# Altium PCB Zynq-Video-Board.PcbDoc (part 3 of 7)
Units mm, origin at the board's own origin, x right, y up, seen from the top; angles counter-clockwise.
Board outline 140 x 100.79 mm, 4 copper layers (Top Layer, Power Layer, GND Layer, Bottom Layer), stack 1.536 mm thick; 231 components, 238 nets, 1116 pads, 595 vias.
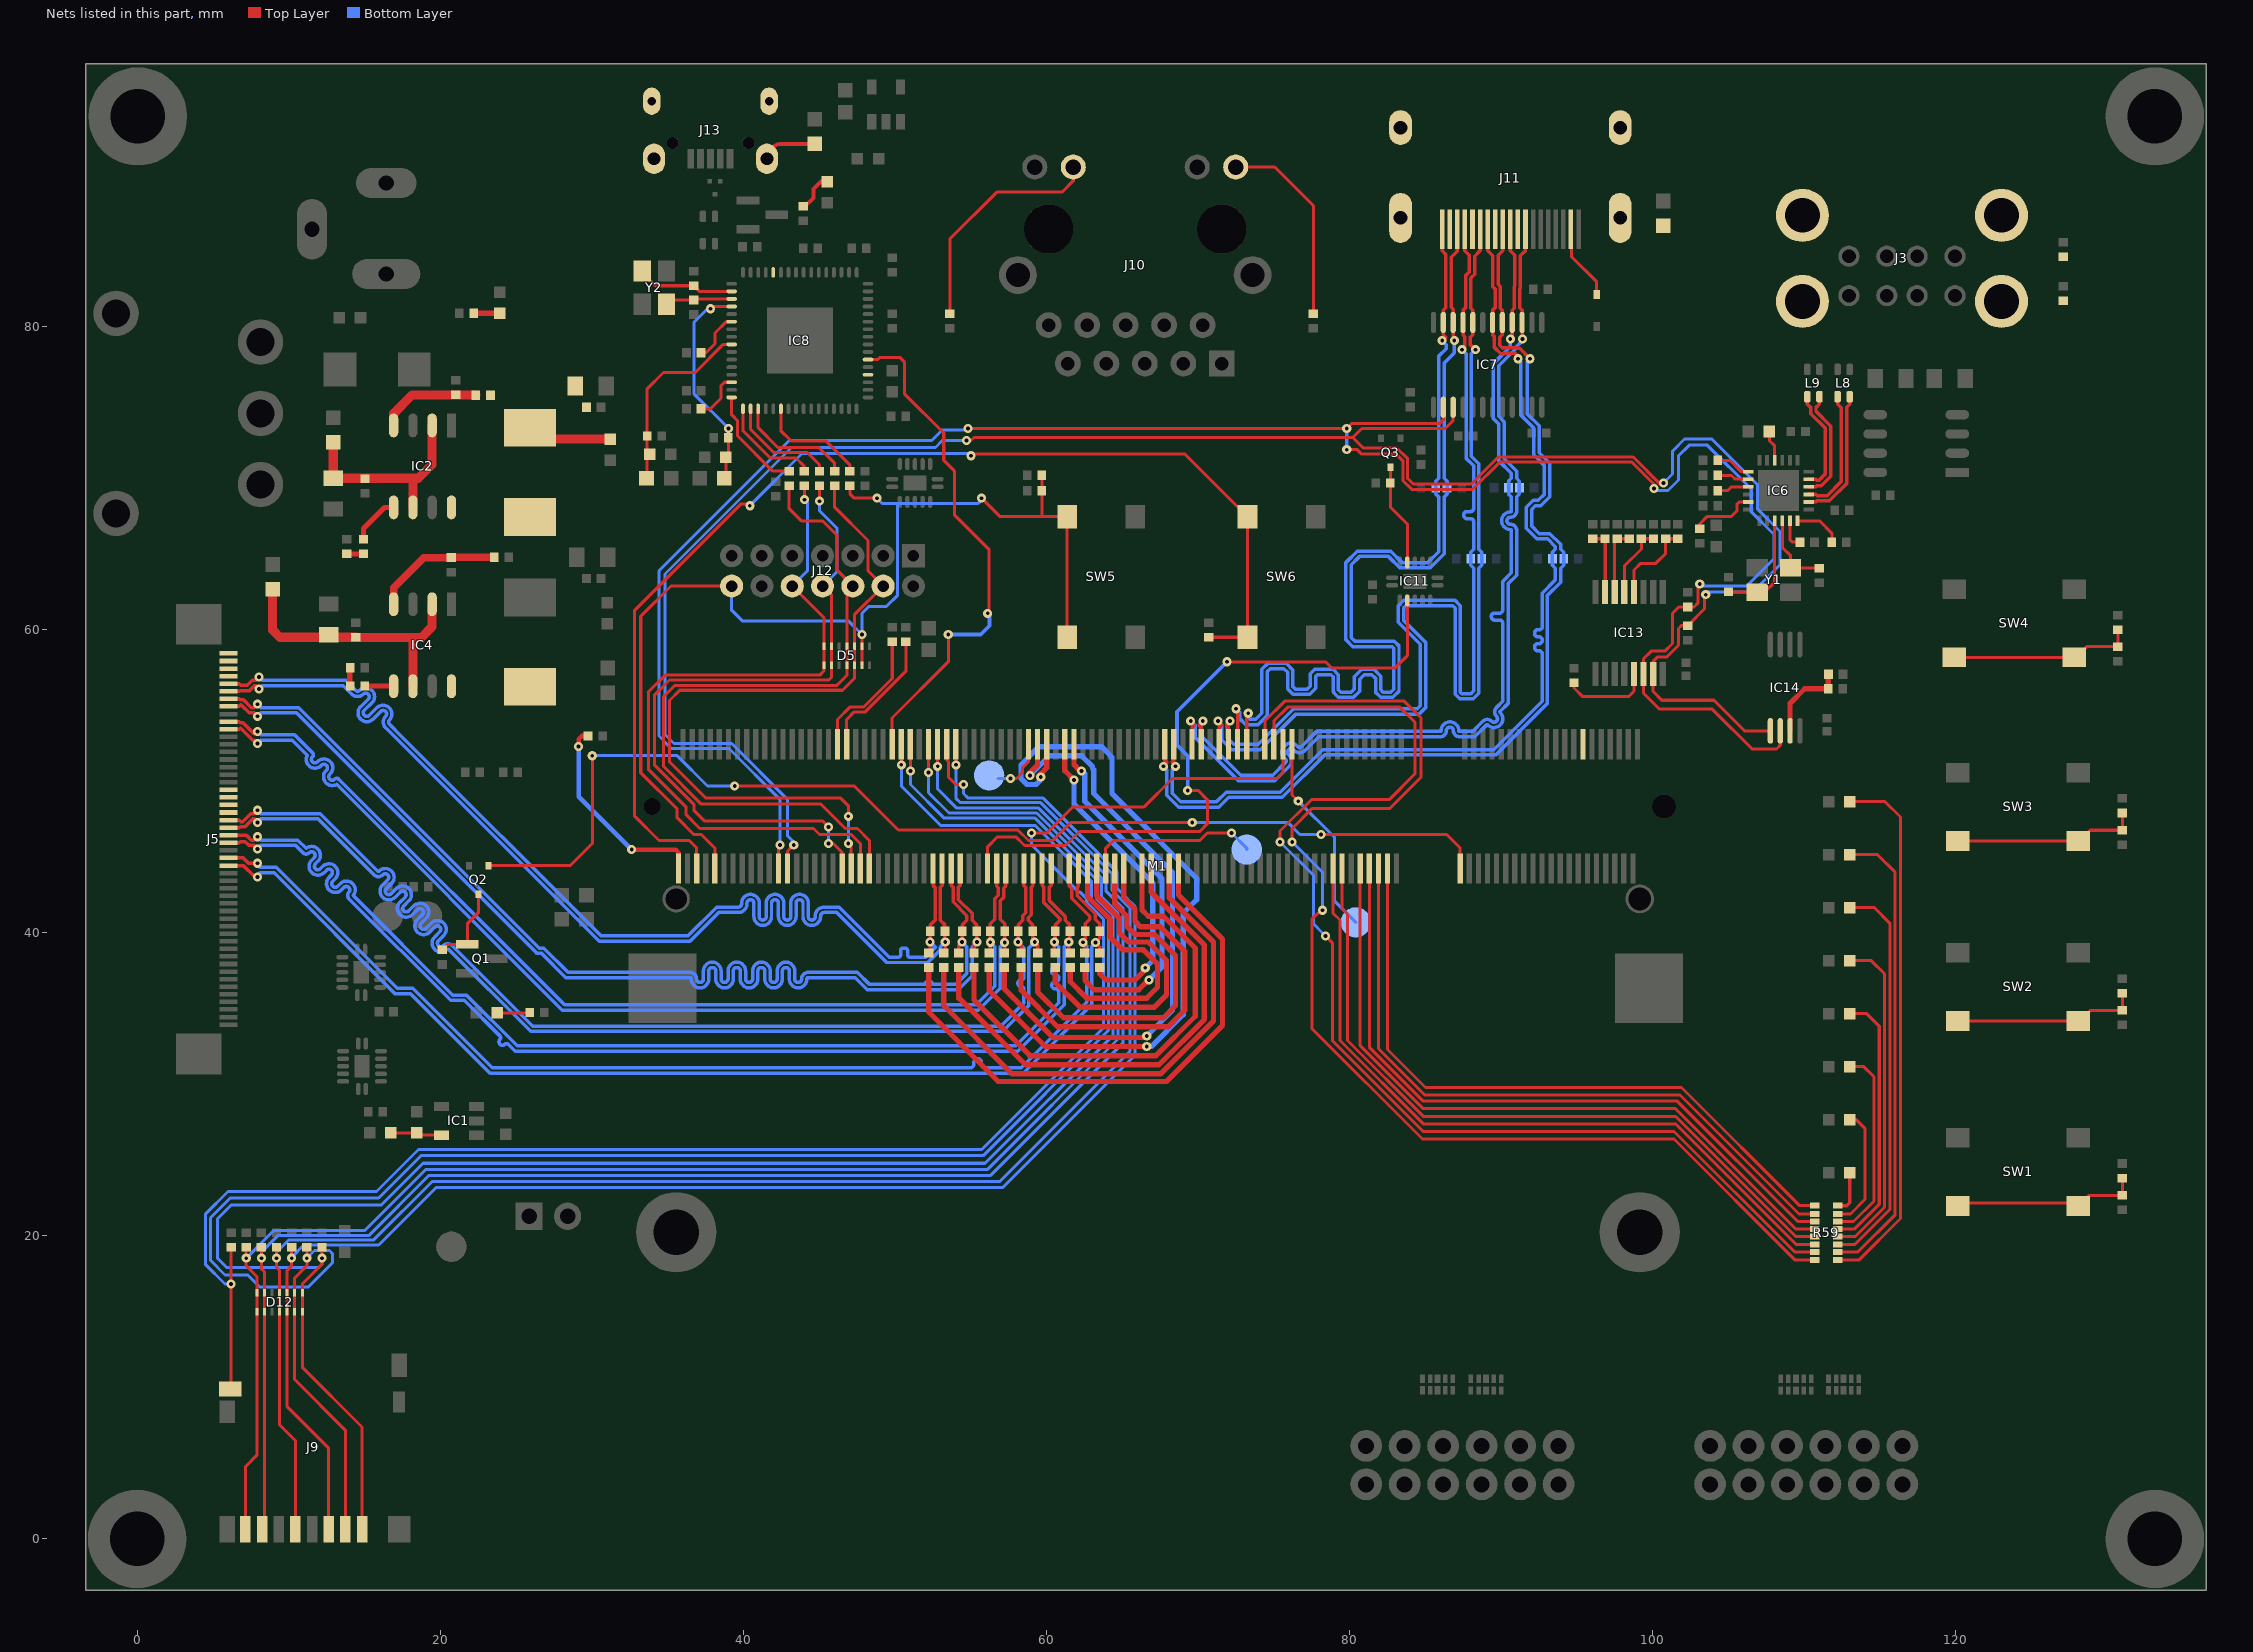
[diagram p5: the nets of this part, all layers, seen from the top]

## Via types
v1: diameter 0.6, hole 0.25, Top Layer to Bottom Layer, tented both sides, 578 vias
v2: diameter 0.6, hole 0.25, Top Layer to Bottom Layer, 16 vias
v3: diameter 0.8, hole 0.35, Top Layer to Bottom Layer, tented both sides, 1 vias

## Nets (pads, with @x,y where several pads share a name; then routed paths per layer and width w, separated by ;. In a path a pad name is that pad's centre, name@x,y a point inside that pad or via, vN(x,y) a via of type N, cw(c..) or ccw(c..) an arc to the next point about the centre after c; other vN are vias at no path point) (continued)
HP_CSI1_CLK_N: J5.23 M1.114 R25.1 R26.2 | length 75.4
  Top Layer w0.23: J5.23@6.04,44.95 7.007,44.95 7.357,44.6 v1(7.95,44.6) ; M1.114@61.541,44.249 61.541,43.1 61.71,42.93 61.71,42.299 62.894,41.115 62.894,40.905 62.589,40.6 R26.2@62.589,40.1 62.589,39.524 v1(62.448,39.383) 62.57,39.261 R25.1@62.57,38.68
  Bottom Layer w0.23: v1(7.95,44.6) ccw(c8.225,44.6) 8.225,44.325 9.195,44.325 17.17,36.35 18.195,36.35 23.445,31.1 48.55,31.1 54.998,31.1 ccw(c54.998,31.342) 55.24,31.342 55.24,31.458 cw(c55.482,31.458) 55.482,31.7 cw(c55.482,31.458) 55.724,31.458 55.724,31.342 ccw(c55.966,31.342) 55.966,31.1 56.208,31.1 56.45,31.1 58.355,31.1 62.684,35.429 62.684,39.147 v1(62.448,39.383)
HP_CSI1_CLK_P: J5.22 M1.112 R26.1 R28.1 | length 75.4
  Top Layer w0.23: J5.22@6.04,44.45 7.012,44.45 7.762,43.7 v1(7.95,43.7) ; M1.112@62.141,44.249 62.141,43.1 62.06,43.019 62.06,42.444 63.244,41.26 63.244,40.905 63.549,40.6 R26.1@63.549,40.1 63.549,39.645 v1(63.269,39.365) 63.543,39.091 R28.1@63.543,38.68
  Bottom Layer w0.23: v1(7.95,43.7) cw(c8.225,43.7) 8.225,43.975 9.05,43.975 17.025,36 18.05,36 23.3,30.75 58.5,30.75 63.034,35.284 63.034,39.129 v1(63.269,39.365)
HP_CSI1_D0_N: J5.26 M1.120 R45.1 R47.2 | length 76.7
  Top Layer w0.23: J5.26@6.04,46.45 7.225,46.45 ; 7.275,46.4 7.55,46.125 7.725,46.125 v1(7.95,46.35) ; M1.120@59.741,44.249 59.741,43.134 59.866,43.009 59.866,42 60.925,40.941 60.925,40.83 60.62,40.525 R47.2@60.62,40.1 60.62,39.47 v1(60.55,39.4) 60.55,38.73 R45.1@60.6,38.68
  Bottom Layer w0.23: v1(7.95,46.35) 8.175,46.125 10.62,46.125 11.162,45.583 cw(c11.528,45.132) 12.108,45.132 cw(c11.528,45.132) 11.938,44.722 11.775,44.56 ccw(c11.938,44.397) 11.775,44.234 ; 11.776,44.234 ccw(c11.938,44.397) 12.101,44.234 12.263,44.397 cw(c12.673,43.987) 13.253,43.987 cw(c12.673,43.987) 13.083,43.577 12.921,43.414 ccw(c13.083,43.251) 12.92,43.089 ccw(c13.083,43.251) 13.246,43.089 13.409,43.251 cw(c13.819,42.841) 14.399,42.841 cw(c13.819,42.841) 14.269,42.476 20.845,35.9 21.545,35.9 21.75,35.9 25.1,32.55 58,32.55 60.85,35.4 60.85,36.085 ccw(c60.62,36.085) 60.62,36.315 60.6,36.315 cw(c60.6,36.545) 60.37,36.545 cw(c60.6,36.545) 60.6,36.775 60.62,36.775 ccw(c60.62,37.005) 60.85,37.005 ccw(c60.62,37.005) 60.62,37.235 60.6,37.235 cw(c60.6,37.465) 60.37,37.465 cw(c60.6,37.465) 60.6,37.695 60.62,37.695 ccw(c60.62,37.925) 60.85,37.925 60.85,39.1 v1(60.55,39.4)
HP_CSI1_D0_P: J5.25 M1.118 R47.1 R49.1 | length 76.7
  Top Layer w0.23: J5.25@6.04,45.95 6.755,45.95 6.83,46.025 6.95,46.025 6.955,46.03 7.15,46.03 7.405,45.775 7.725,45.775 v1(7.95,45.55) ; M1.118@60.341,44.249 60.341,43.134 60.216,43.009 60.216,42.145 61.275,41.086 61.275,40.83 61.58,40.525 R47.1@61.58,40.1 61.58,39.48 v1(61.5,39.4) 61.5,38.78 R49.1@61.6,38.68
  Bottom Layer w0.23: v1(7.95,45.55) 8.175,45.775 10.475,45.775 10.955,45.295 ccw(c11.16,45.5) 11.365,45.295 cw(c11.528,45.132) 11.69,45.295 ; 11.69,45.295 cw(c11.528,45.132) 11.758,45.132 cw(c11.528,45.132) 11.69,44.97 11.528,44.807 ccw(c11.938,44.397) 12.348,43.987 12.511,44.149 cw(c12.673,43.987) 12.835,44.15 ; 12.836,44.149 cw(c12.673,43.987) 12.903,43.987 cw(c12.673,43.987) 12.836,43.824 12.673,43.662 ccw(c13.083,43.251) 13.494,42.841 13.656,43.004 cw(c13.819,42.841) 13.981,43.004 cw(c13.819,42.841) 14.049,42.841 cw(c13.819,42.841) 13.981,42.679 ccw(c14.187,42.474) 13.981,42.269 20.7,35.55 21.605,35.55 23.959,33.196 cw(c23.852,33.09) 23.959,32.984 ccw(c24.121,32.822) 23.959,32.659 ccw(c24.121,32.822) 24.284,32.659 cw(c24.39,32.553) 24.496,32.659 24.955,32.2 58.145,32.2 61.2,35.255 61.2,39.1 v1(61.5,39.4)
HP_CSI1_D1_N: J5.28 M1.124 R39.1 R41.2 | length 77.2
  Top Layer w0.23: J5.28@6.04,47.45 6.755,47.45 6.755,47.445 6.85,47.35 6.98,47.35 7.505,47.875 7.725,47.875 v1(7.95,48.1) ; R39.1@58.35,38.68 58.35,39.24 58.17,39.42 R41.2@58.17,40.1 58.17,40.525 58.475,40.83 58.475,41.145 58.666,41.336 58.666,43.009 58.541,43.134 M1.124@58.541,44.249
  Bottom Layer w0.23: v1(7.95,48.1) 8.175,47.875 12.098,47.875 15.888,44.086 ccw(c15.934,44.132) 15.98,44.086 cw(c16.39,43.676) 16.97,43.676 cw(c16.39,43.676) 16.8,43.265 16.46,42.926 ccw(c16.623,42.763) 16.46,42.601 ; 16.46,42.601 ccw(c16.623,42.763) 16.786,42.601 17.125,42.94 cw(c17.535,42.53) 18.115,42.53 cw(c17.535,42.53) 17.945,42.12 17.606,41.78 ccw(c17.769,41.618) 17.605,41.456 ; 17.606,41.455 ccw(c17.769,41.618) 17.931,41.455 18.271,41.795 cw(c18.681,41.384) 19.261,41.384 cw(c18.681,41.384) 19.091,40.974 18.751,40.635 ccw(c18.914,40.472) 18.751,40.31 ; 18.751,40.31 ccw(c18.914,40.472) 19.077,40.31 19.416,40.649 cw(c19.826,40.239) 20.406,40.239 cw(c19.826,40.239) 20.236,39.829 19.897,39.489 ccw(c20.06,39.327) 19.896,39.165 ; 19.897,39.164 ccw(c20.06,39.327) 20.222,39.164 cw(c20.516,38.871) 20.809,39.164 26.123,33.85 57,33.85 58.525,35.375 58.525,36.3 ccw(c58.375,36.3) 58.375,36.45 cw(c58.375,36.68) 58.145,36.68 cw(c58.375,36.68) 58.375,36.91 ccw(c58.375,37.06) 58.525,37.06 58.525,39.025 v1(58.15,39.4)
HP_CSI1_D1_P: J5.27 M1.122 R41.1 R43.1 | length 77.2
  Top Layer w0.23: J5.27@6.04,46.95 6.755,46.95 6.805,47 7.125,47 7.65,47.525 7.725,47.525 v1(7.95,47.3) ; v1@59.13,39.52 R41.1@59.13,40.1 59.13,40.525 58.825,40.83 58.825,41 59.016,41.191 59.016,43.009 59.141,43.134 M1.122@59.141,44.249 ; v1(59.25,39.4) 59.45,39.2 R43.1@59.45,38.68
  Bottom Layer w0.23: v1(7.95,47.3) 8.175,47.525 11.953,47.525 15.64,43.838 ccw(c15.934,44.132) 16.227,43.838 cw(c16.39,43.676) 16.552,43.839 cw(c16.39,43.676) 16.62,43.676 cw(c16.39,43.676) 16.552,43.513 16.213,43.173 ccw(c16.623,42.763) 17.033,42.353 17.373,42.693 cw(c17.535,42.53) 17.698,42.693 cw(c17.535,42.53) 17.765,42.53 cw(c17.535,42.53) 17.698,42.367 17.358,42.028 ccw(c17.769,41.618) 18.179,41.208 18.518,41.547 cw(c18.681,41.384) 18.843,41.547 cw(c18.681,41.384) 18.911,41.384 cw(c18.681,41.384) 18.843,41.222 18.504,40.882 ccw(c18.914,40.472) 19.324,40.062 19.664,40.402 cw(c19.826,40.239) 19.989,40.402 cw(c19.826,40.239) 20.056,40.239 cw(c19.826,40.239) 19.989,40.076 19.649,39.737 ccw(c20.06,39.327) 20.47,38.917 cw(c20.516,38.871) 20.562,38.917 25.978,33.5 57.145,33.5 58.875,35.23 58.875,39.025 v1(59.25,39.4)
HP_CSI1_D2_N: J5.30
HP_CSI1_D2_P: J5.29
HP_CSI1_D3_N: J5.32
HP_CSI1_D3_P: J5.31
HP_CSI2_CLK_N: J5.41 M1.130 R96.1 R97.2 | length 69
  Top Layer w0.23: J5.41@6.04,53.95 6.755,53.95 6.83,53.875 6.995,53.875 v1@7.722,53.147 ; R96.1@56.25,38.68 56.325,38.755 v1(56.325,39.385) 56.325,40.092 R97.2@56.317,40.1 56.317,40.6 56.622,40.905 56.622,42.26 56.85,42.488 56.85,42.991 56.741,43.1 M1.130@56.741,44.249
  Bottom Layer w0.23: v1(7.95,53.3) 8.175,53.075 10.395,53.075 11.592,51.878 cw(c11.469,51.753) 11.644,51.753 cw(c11.469,51.753) 11.593,51.63 ; 11.582,51.294 ccw(c11.745,51.456) 11.908,51.294 ; 11.582,51.294 cw(c11.745,51.456) 11.582,51.619 ; 11.929,51.315 cw(c12.339,50.905) 12.919,50.905 cw(c12.339,50.905) 12.749,50.495 ; 12.728,50.148 cw(c12.89,50.311) 12.728,50.474 ; 12.728,50.148 ccw(c12.89,50.311) 13.053,50.148 ; 13.064,50.159 cw(c13.187,50.035) 13.311,50.159 28.22,35.25 55.385,35.25 56.623,36.488 56.623,39.087 v1(56.325,39.385)
HP_CSI2_CLK_P: J5.40 M1.128 R97.1 R98.1 | length 69.8
  Top Layer w0.23: J5.40@6.04,53.45 6.755,53.45 6.83,53.525 6.85,53.525 7.65,52.725 7.725,52.725 v1(7.95,52.5) ; R98.1@57.25,38.68 57.271,38.701 v1(57.271,39.379) 57.277,39.386 R97.1@57.277,40.1 57.277,40.6 56.972,40.905 56.972,42.115 57.201,42.344 57.201,42.96 57.341,43.1 M1.128@57.341,44.249
  Bottom Layer w0.23: v1(7.95,52.5) 8.175,52.725 10.25,52.725 11.238,51.737 ccw(c11.745,51.456) 12.155,51.046 ; 12.176,51.067 cw(c12.339,50.905) 12.501,51.068 ; 12.48,50.721 ccw(c12.89,50.311) 13.171,49.804 28.075,34.9 55.53,34.9 56.973,36.343 56.973,39.082 v1(57.271,39.379) ; 12.501,50.742 ccw(c12.339,50.905) 12.569,50.905 ccw(c12.339,50.905) 12.501,51.067
HP_CSI2_D0_N: J5.44 M1.140 R46.1 R48.2 | length 74.4
  Top Layer w0.23: J5.44@6.04,55.45 6.755,55.45 6.805,55.4 7.025,55.4 7.55,54.875 7.725,54.875 v1(7.95,55.1) ; M1.140@53.741,44.249 53.741,43.134 53.866,43.009 53.866,42.055 54.775,41.146 54.775,40.83 54.47,40.525 R48.2@54.47,40.1 54.47,39.42 v1(54.45,39.4) 54.25,39.2 R46.1@54.25,38.68
  Bottom Layer w0.23: v1(7.95,55.1) 8.175,54.875 10.67,54.875 11.897,53.647 14.397,51.147 26.547,38.997 26.853,38.997 28.45,37.4 36.49,37.4 cw(c36.49,36.96) 36.93,36.96 ccw(c37.16,36.96) 37.39,36.96 37.39,37.49 cw(c37.97,37.49) 38.55,37.49 38.55,36.96 ccw(c38.78,36.96) 39.01,36.96 39.01,37.49 cw(c39.59,37.49) 40.17,37.49 40.17,36.96 ccw(c40.4,36.96) 40.63,36.96 40.63,37.49 cw(c41.21,37.49) 41.79,37.49 41.79,36.96 ccw(c42.02,36.96) 42.25,36.96 42.25,37.49 cw(c42.83,37.49) 43.41,37.49 43.41,36.96 ccw(c43.64,36.96) 43.87,36.96 cw(c44.31,36.96) 44.31,37.4 47.55,37.4 48.35,36.6 52.03,36.6 cw(c52.26,36.6) 52.26,36.83 cw(c52.26,36.6) 52.49,36.6 54.05,36.6 54.775,37.325 54.775,39.075 v1(54.45,39.4)
HP_CSI2_D0_P: J5.43 M1.138 R48.1 R50.1 | length 74.7
  Top Layer w0.23: J5.43@6.04,54.95 6.755,54.95 6.755,54.955 6.85,55.05 6.88,55.05 7.405,54.525 7.725,54.525 v1(7.95,54.3) ; M1.138@54.341,44.249 54.341,43.134 54.216,43.009 54.216,42.2 55.125,41.291 55.125,40.83 55.43,40.525 R48.1@55.43,40.1 55.43,39.42 55.25,39.24 R50.1@55.25,38.68
  Bottom Layer w0.23: v1(7.95,54.3) 8.175,54.525 10.525,54.525 26.3,38.75 26.403,38.647 26.708,38.647 28.305,37.05 36.49,37.05 cw(c36.49,36.96) 36.58,36.96 ccw(c37.16,36.96) 37.74,36.96 37.74,37.49 cw(c37.97,37.49) 38.2,37.49 38.2,36.96 ccw(c38.78,36.96) 39.36,36.96 39.36,37.49 cw(c39.59,37.49) 39.82,37.49 39.82,36.96 ccw(c40.4,36.96) 40.98,36.96 40.98,37.49 cw(c41.21,37.49) 41.44,37.49 41.44,36.96 ccw(c42.02,36.96) 42.6,36.96 42.6,37.49 cw(c42.83,37.49) 43.06,37.49 43.06,36.96 ccw(c43.64,36.96) 44.22,36.96 cw(c44.31,36.96) 44.31,37.05 47.405,37.05 48.205,36.25 54.195,36.25 55.125,37.18 55.125,39.075 v1(55.45,39.4)
HP_CSI2_D1_N: J5.46 M1.144 R40.1 R42.2 | length 74.6
  Top Layer w0.23: J5.46@6.04,56.45 6.755,56.45 6.855,56.35 7.28,56.35 7.605,56.675 7.825,56.675 v1(8.05,56.9) ; R40.1@52.35,38.68 v1(52.35,39.4) 52.37,39.42 R42.2@52.37,40.1 52.37,40.525 52.675,40.83 52.675,43 52.541,43.134 M1.144@52.541,44.249
  Bottom Layer w0.23: v1(8.05,56.9) 8.275,56.675 13.77,56.675 14.433,56.012 ccw(c14.56,56.139) 14.687,56.012 cw(c15.098,55.602) 15.508,56.012 cw(c15.098,55.602) 15.678,55.602 cw(c15.098,55.602) 15.508,55.192 15.006,54.69 ccw(c15.168,54.527) 15.005,54.365 ; 15.006,54.365 ccw(c15.168,54.527) 15.33,54.364 15.833,54.867 ; 15.833,54.867 cw(c16.243,54.457) 16.653,54.867 cw(c16.243,54.457) 16.823,54.457 cw(c16.243,54.457) 16.653,54.046 ccw(c16.78,53.919) 16.653,53.792 17.45,52.995 30.645,39.8 36.355,39.8 38.258,41.703 39.68,41.703 ccw(c39.68,41.933) 39.91,41.933 39.91,41.973 cw(c40.49,41.973) 41.07,41.973 41.07,41.083 ccw(c41.3,41.083) 41.53,41.083 41.53,41.973 cw(c42.11,41.973) 42.69,41.973 42.69,41.083 ccw(c42.92,41.083) 43.15,41.083 43.15,41.973 cw(c43.73,41.973) 44.31,41.973 44.31,41.083 ccw(c44.54,41.083) 44.77,41.083 44.77,41.123 cw(c45.35,41.123) 45.35,41.703 46.342,41.703 49.645,38.4 50.25,38.4 ccw(c50.25,38.55) 50.4,38.55 50.4,38.839 cw(c50.561,38.839) 50.561,39 50.699,39 cw(c50.699,38.839) 50.86,38.839 50.86,38.561 ccw(c51.021,38.561) 51.021,38.4 51.55,38.4 52.055,38.4 52.675,39.02 52.675,39.075 v1(52.35,39.4)
HP_CSI2_D1_P: J5.45 M1.142 R42.1 R44.1 | length 74.2
  Top Layer w0.23: J5.45@6.04,55.95 6.755,55.95 6.805,56 7.425,56 7.75,56.325 7.825,56.325 v1(8.05,56.1) ; M1.142@53.141,44.249 53.141,43.134 53.025,43.018 53.025,40.83 53.33,40.525 R42.1@53.33,40.1 v1@53.33,39.42 ; R44.1@53.35,38.68 v1(53.35,39.4)
  Bottom Layer w0.23: v1(8.05,56.1) 8.275,56.325 13.625,56.325 14.186,55.764 ccw(c14.56,56.139) 14.935,55.765 cw(c15.098,55.602) 15.26,55.765 ; 15.261,55.764 cw(c15.098,55.602) 15.328,55.602 cw(c15.098,55.602) 15.26,55.439 14.758,54.937 ccw(c15.168,54.527) 14.758,54.117 ccw(c15.168,54.527) 15.578,54.117 16.08,54.619 cw(c16.243,54.457) 16.406,54.619 cw(c16.243,54.457) 16.473,54.457 cw(c16.243,54.457) 16.406,54.294 ccw(c16.78,53.919) 16.406,53.544 17.305,52.645 30.5,39.45 36.5,39.45 38.403,41.353 38.55,41.353 38.95,41.353 39.68,41.353 ccw(c39.68,41.933) 40.26,41.933 40.26,41.973 cw(c40.49,41.973) 40.72,41.973 40.72,41.083 ccw(c41.3,41.083) 41.88,41.083 41.88,41.973 cw(c42.11,41.973) 42.34,41.973 42.34,41.083 ccw(c42.92,41.083) 43.5,41.083 43.5,41.973 cw(c43.73,41.973) 43.96,41.973 43.96,41.083 ccw(c44.54,41.083) 45.12,41.083 45.12,41.123 cw(c45.35,41.123) 45.35,41.353 46.197,41.353 49.5,38.05 52.2,38.05 53.025,38.875 53.025,39.075 v1(53.35,39.4)
HP_CSI2_D2_N: J5.48
HP_CSI2_D2_P: J5.47
HP_CSI2_D3_N: J5.50
HP_CSI2_D3_P: J5.49
JTAG_TCK: D5.11 J12.6 M1.158 R32.2 | length 50
  Top Layer w0.2: R32.2@43.05,69.52 43.05,68 43.85,67.2 45.25,67.2 46.212,66.238 46.212,63.938 J12.6@47.25,62.9 46.85,62.5 D5.11@46.85,58.925 D5.11@46.85,57.675 46.85,57 46.19,56.34 35.49,56.34 34.75,55.6 34.75,51 37.25,48.5 45.15,48.5 46.75,46.9 47.55,46.9 48.341,46.109 M1.158@48.341,44.249
JTAG_TDI: D5.8 J12.10 M1.160 R33.2 | length 48.8
  Top Layer w0.2: J12.10@43.25,62.9 45.35,60.8 D5.8@45.35,58.925 D5.8@45.35,57.675 45.35,57.3 45.07,57.02 34.87,57.02 33.75,55.9 33.75,50.8 36.25,48.3 36.25,47.8 37.15,46.9 44.65,46.9 45.05,46.5 47.15,46.5 47.741,45.909 M1.160@47.741,44.249 ; v1(44.05,68.6) R33.2@44.05,69.52
  Bottom Layer w0.2: J12.10@43.25,62.9 44.25,63.9 44.25,68.4 v1(44.05,68.6)
JTAG_TDO: D5.9 J12.8 M1.164 R34.2 | length 47.4
  Top Layer w0.2: v1(45.05,68.5) R34.2@45.05,69.52 R34.2@45.15,69.42 ; J12.8@45.25,62.9 45.85,62.3 D5.9@45.85,58.925 D5.9@45.85,57.675 45.85,56.9 45.65,56.7 35.15,56.7 34.15,55.7 34.15,51.1 36.75,48.5 36.75,48.1 37.45,47.4 45.25,47.4 v1(45.65,47) ; v1(45.65,45.9) 45.95,45.9 46.541,45.309 M1.164@46.541,44.249
  Bottom Layer w0.2: v1(45.05,68.5) 45.05,67.862 46.212,66.7 46.212,63.862 J12.8@45.25,62.9 ; v1(45.65,45.9) v1(45.65,47)
JTAG_TMS: D5.12 J12.4 M1.162 R35.2 | length 48.9
  Top Layer w0.2: R35.2@46.05,69.52 46.05,68.1 48.25,65.9 48.25,63.9 J12.4@49.25,62.9 47.35,61 D5.12@47.35,58.925 D5.12@47.35,57.675 47.35,56.8 46.57,56.02 35.82,56.02 35.15,55.35 35.15,51.3 37.55,48.9 46.45,48.9 46.95,48.4 v1(46.95,47.7) ; v1(46.95,45.9) 47.141,45.709 M1.162@47.141,44.249
  Bottom Layer w0.2: v1(46.95,45.9) v1(46.95,47.7)
L_USB_D0_N: IC6.2 L8.2 | length 8.8
  Top Layer w0.23: IC6.2@110.35,68.45 110.815,68.45 110.885,68.52 111.705,68.52 112.84,69.655 112.85,69.655 112.85,74.7 113.05,74.9 L8.2@113.05,75.4
L_USB_D0_P: IC6.3 L8.1 | length 8.3
  Top Layer w0.23: IC6.3@110.35,68.95 110.815,68.95 110.895,68.87 111.56,68.87 112.49,69.8 112.49,74.66 112.25,74.9 L8.1@112.25,75.4
L_USB_D1_N: IC6.4 L9.2 | length 7.5
  Top Layer w0.23: IC6.4@110.35,69.45 110.815,69.45 110.89,69.525 111.17,69.525 111.8,70.155 111.8,73.45 110.825,74.425 110.825,74.685 111.05,74.91 L9.2@111.05,75.4
L_USB_D1_P: IC6.5 L9.1 | length 6.9
  Top Layer w0.23: L9.1@110.25,75.4 110.25,74.91 110.475,74.685 110.475,74.28 111.45,73.305 111.45,70.3 111.025,69.875 110.89,69.875 110.815,69.95 IC6.5@110.35,69.95
LED1: M1.44 R59.8 | length 44.4
  Top Layer w0.2: M1.44@82.541,44.249 82.541,32.309 85.05,29.8 101.95,29.8 109.75,22 R59.8@110.75,22
LED2: M1.46 R59.7 | length 45.2
  Top Layer w0.2: M1.46@81.941,44.249 81.941,32.359 85,29.3 101.85,29.3 109.7,21.45 R59.7@110.75,21.45
LED3: M1.48 R59.6 | length 46
  Top Layer w0.2: M1.48@81.341,44.249 81.341,32.459 84.9,28.9 101.674,28.9 109.624,20.95 R59.6@110.75,20.95
LED4: M1.50 R59.5 | length 46.7
  Top Layer w0.2: M1.50@80.75,44.24 M1.50@80.741,44.249 80.741,32.559 84.9,28.4 101.55,28.4 109.5,20.45 R59.5@110.75,20.45
LED5: M1.54 R59.4 | length 47.7
  Top Layer w0.2: M1.54@79.541,44.249 79.541,41.609 79.9,41.25 79.9,32.9 84.9,27.9 101.55,27.9 109.5,19.95 R59.4@110.75,19.95
LED6: M1.56 R59.3 | length 48.5
  Top Layer w0.2: M1.56@78.941,44.249 78.941,41.309 79.4,40.85 79.4,32.9 84.9,27.4 101.55,27.4 109.5,19.45 R59.3@110.75,19.45
LED7: M1.69 R59.2 | length 78.3
  Top Layer w0.2: M1.69@75.041,52.449 75.041,53.991 75.95,54.9 83.35,54.9 84.35,53.9 84.35,50.5 82.65,48.8 77.526,48.8 75.45,46.724 v1(75.45,46) ; v1@78.341,39.909 v1(78.45,39.8) 78.9,39.35 78.9,32.9 84.9,26.9 101.45,26.9 109.4,18.95 R59.2@110.75,18.95
  Bottom Layer w0.2: v1(75.45,46) 77.65,43.8 77.65,40.6 v1@78.25,40
LED8: M1.71 R59.1 | length 80.6
  Top Layer w0.2: M1.71@74.441,52.449 74.441,53.991 75.75,55.3 83.65,55.3 84.75,54.2 84.75,50.276 82.674,48.2 77.55,48.2 76.25,46.9 v1(76.25,46) ; v1(78.25,41.5) 78.15,41.5 77.55,40.9 77.55,33.7 84.85,26.4 101.45,26.4 109.45,18.4 R59.1@110.75,18.4
  Bottom Layer w0.2: v1(76.25,46) 78.25,44 v1(78.25,41.5)
LP_CSI1_CLK_N: M1.113 R25.2 | length 23.9
  Top Layer w0.35: M1.113@61.841,52.449 61.841,51.109 v1@62.25,50.7 ; R25.2@62.57,37.72 62.57,36.864 63.181,36.253 66.112,36.253 66.761,36.902 v1(66.79,36.902)
  Bottom Layer w0.35: v1(62.35,50.7) 62.55,50.5 62.55,48.7 67.65,43.6 67.65,37.762 v1(66.79,36.902)
LP_CSI1_CLK_P: M1.115 R28.2 | length 21.1
  Top Layer w0.35: M1.115@61.241,52.449 61.241,50.709 v1(61.85,50.1) ; R28.2@63.543,37.72 63.543,37.307 63.95,36.9 65.881,36.9 v1@66.426,37.445
  Bottom Layer w0.35: v1(61.85,50.1) 61.85,48.5 67.05,43.3 67.05,38.2 v1(66.55,37.7)
LP_CSI1_D0_N: M1.108 R45.2 | length 20.4
  Top Layer w0.35: R45.2@60.6,37.72 60.61,37.71 60.61,36.74 62.25,35.1 67.15,35.1 67.95,35.9 67.95,38.2 66.75,39.4 65.45,39.4 64.85,40 64.85,40.964 63.341,42.473 M1.108@63.341,44.249
LP_CSI1_D0_P: M1.110 R49.2 | length 18
  Top Layer w0.35: R49.2@61.6,37.72 61.6,36.784 62.684,35.7 66.65,35.7 67.365,36.415 67.365,37.948 66.414,38.9 65.05,38.9 64.25,39.7 64.25,40.895 62.741,42.404 M1.110@62.741,44.249
LP_CSI1_D1_N: M1.102 R39.2 | length 25.5
  Top Layer w0.35: R39.2@58.35,37.72 58.35,36.225 60.775,33.8 68.05,33.8 69.15,34.9 69.15,38.8 67.55,40.4 66.25,40.4 65.87,40.78 65.87,41.58 65.141,42.309 M1.102@65.141,44.249
LP_CSI1_D1_P: M1.104 R43.2 | length 23.2
  Top Layer w0.35: R43.2@59.45,37.72 59.45,36.1 61.15,34.4 67.75,34.4 68.55,35.2 68.55,38.5 67.15,39.9 65.87,39.9 65.35,40.42 65.35,41.1 64.541,41.909 M1.104@64.541,44.249
LP_CSI2_CLK_N: M1.119 R96.2 | length 47.8
  Top Layer w0.35: R96.2@56.25,37.72 56.25,36.2 59.95,32.5 v1@66.45,32.5 ; v1@59.65,50.5 60.041,50.891 M1.119@60.041,52.449
  Bottom Layer w0.35: v1(59.65,50.3) 59.65,50.1 59.35,49.8 58.737,49.8 58.375,50.162 58.375,50.175 58.35,50.2 58.35,51.1 59.55,52.3 63.65,52.3 64.35,51.6 64.35,49.2 69.95,43.6 69.95,42.2 69.05,41.3 69.05,34.6 66.95,32.5 v1(66.65,32.5)